# Altium PCB GridSeed.PcbDoc (part 2 of 4) (continued)
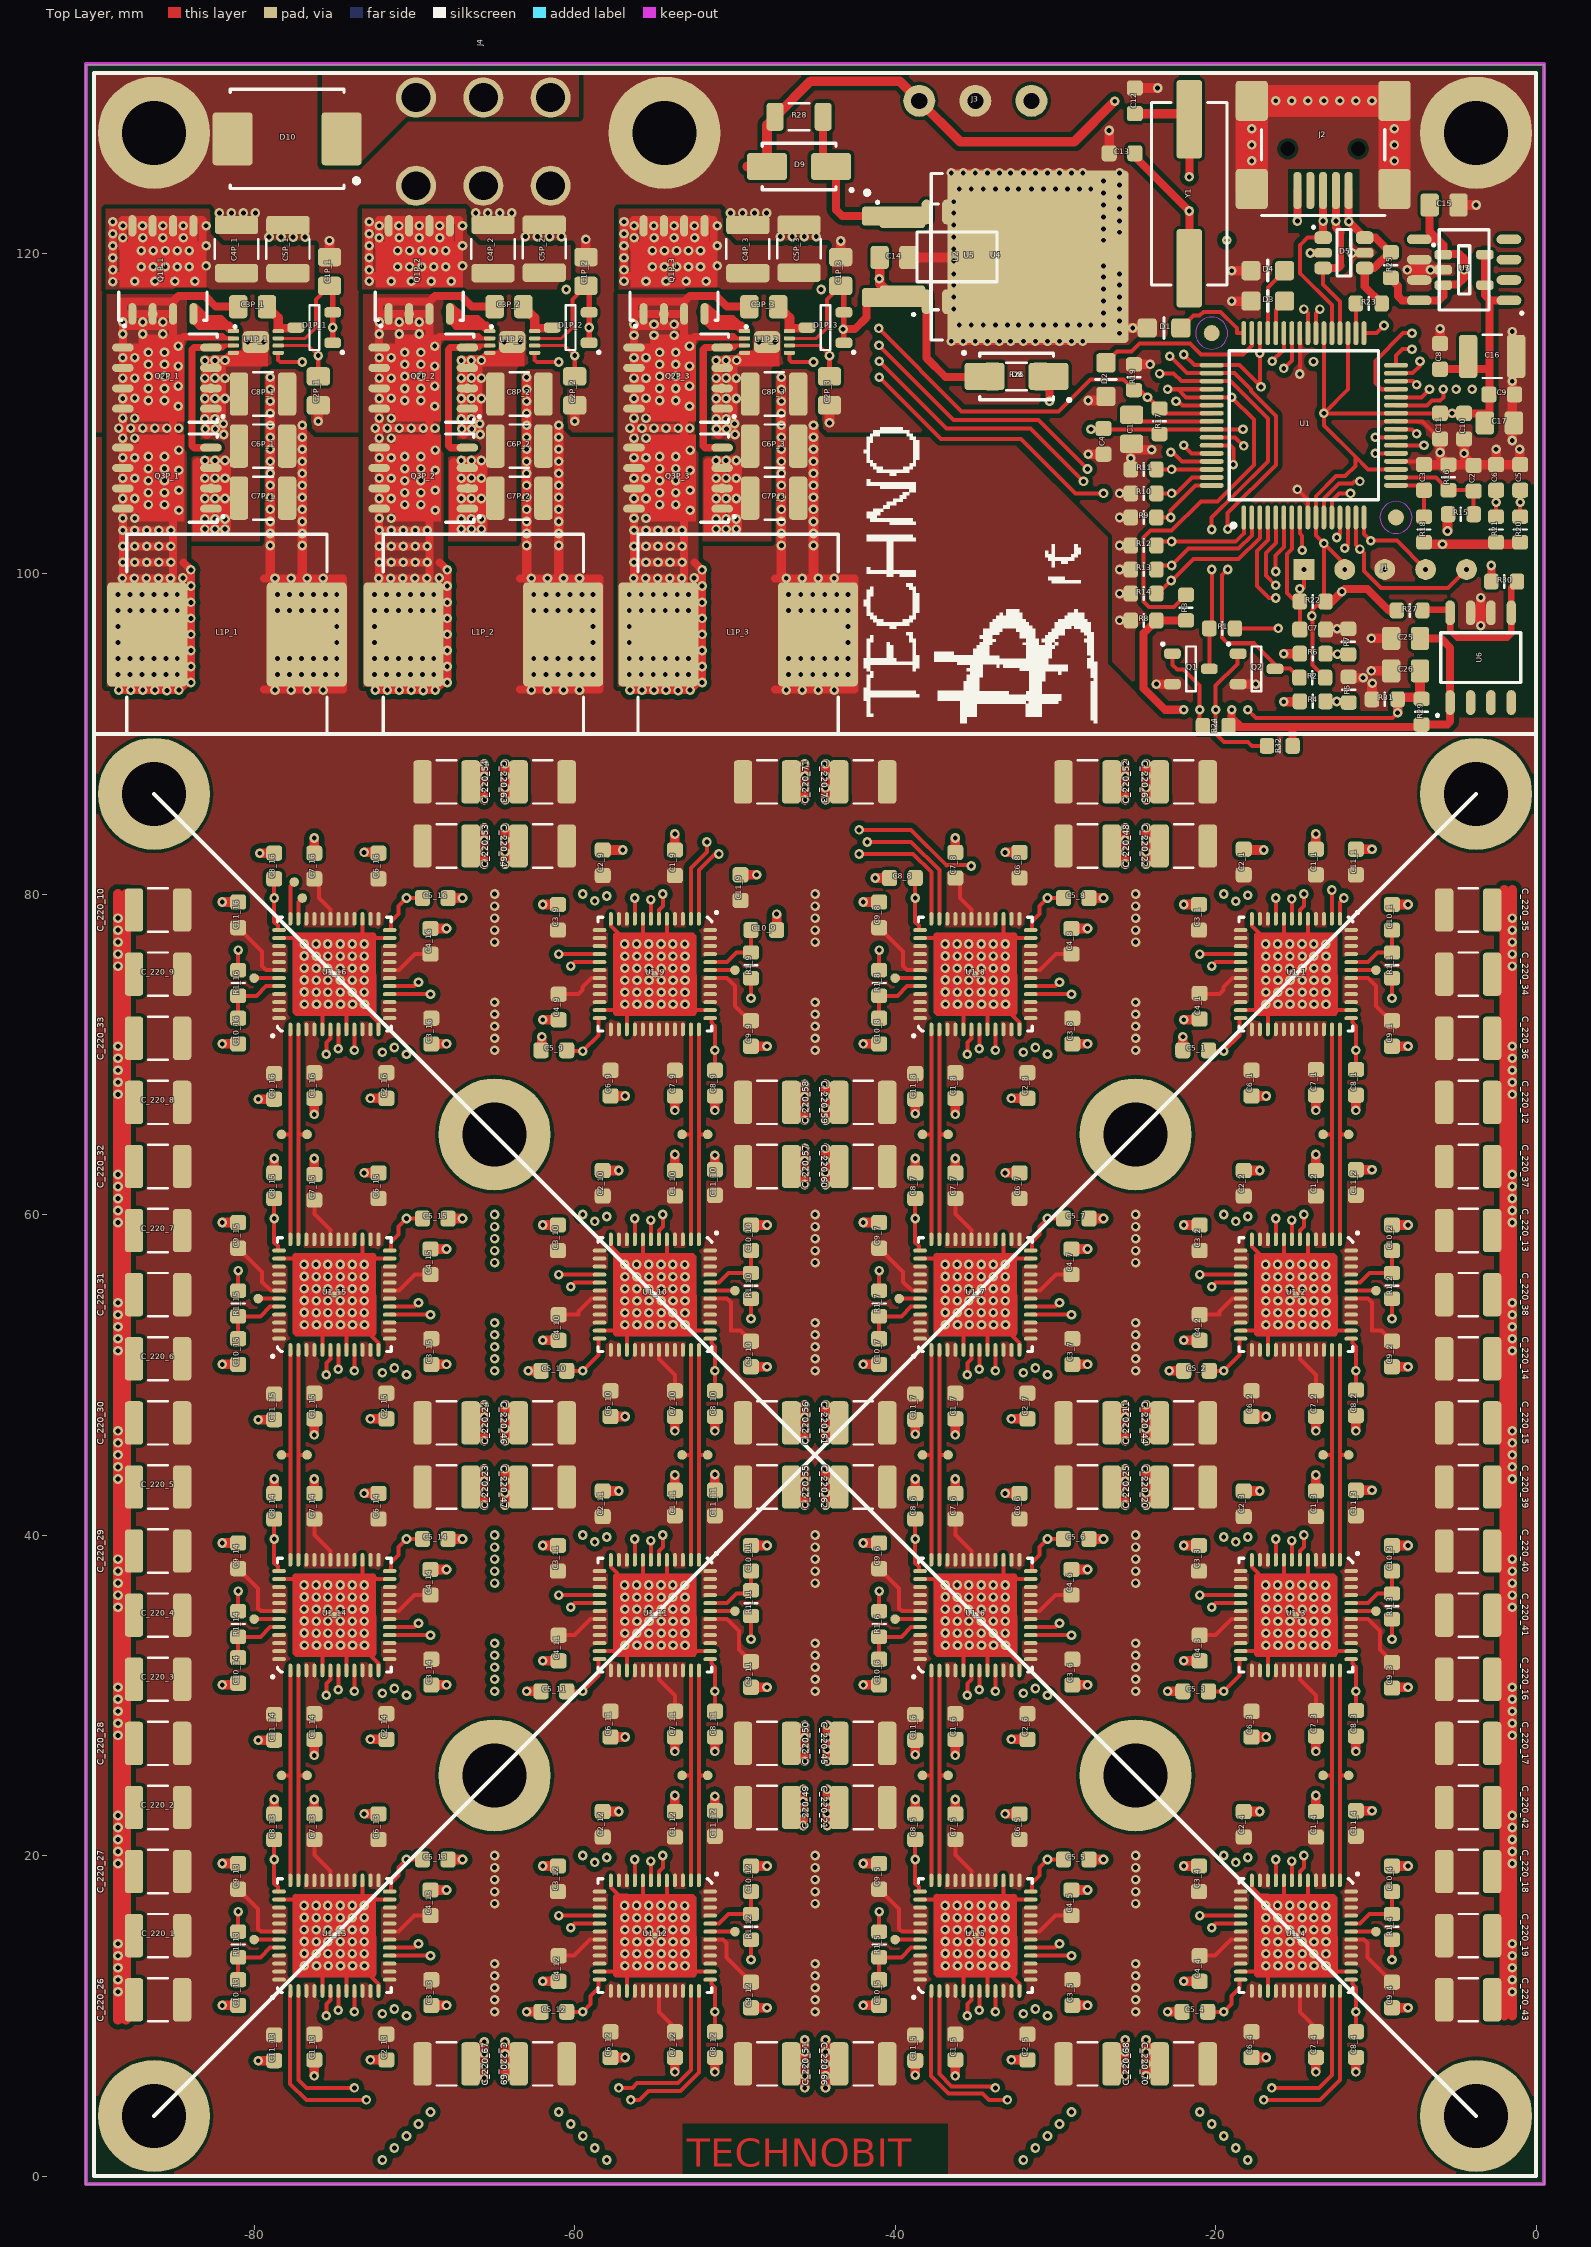
[diagram p0: Top Layer view]
## Nets (pads, with @x,y where several pads share a name; then routed paths per layer and width w, separated by ;. In a path a pad name is that pad's centre, name@x,y a point inside that pad or via, vN(x,y) a via of type N, cw(c..) or ccw(c..) an arc to the next point about the centre after c; other vN are vias at no path point) (continued)
  Mid-Bottom Layer w0.25: v1(-74.75,10.35) -74.1,11 -71.825,11 v1(-71.25,10.425) ; v1(-74.75,30.35) -74.1,31 -71.825,31 v1(-71.25,30.425) ; v1(-74.75,50.35) -74.1,51 -71.825,51 v1(-71.25,50.425) ; v1(-74.75,70.35) -74.1,71 -71.825,71 v1(-71.25,70.425) ; v1(-71.25,1.75) v1(-31.25,1.75) v1(-18.75,1.75) ; v1(-58.75,19.575) -58.175,19 -55.9,19 v1(-55.25,19.65) ; v1(-58.75,39.575) -58.175,39 -55.9,39 v1(-55.25,39.65) ; v1(-58.75,59.575) -58.175,59 -55.9,59 v1(-55.25,59.65) ; v1(-58.75,79.575) -58.175,79 -55.9,79 v1(-55.25,79.65) ; v1(-34.75,10.35) -34.1,11 -31.825,11 v1(-31.25,10.425) ; v1(-34.75,30.35) -34.1,31 -31.825,31 v1(-31.25,30.425) ; v1(-34.75,50.35) -34.1,51 -31.825,51 v1(-31.25,50.425) ; v1(-34.75,70.35) -34.1,71 -31.825,71 v1(-31.25,70.425) ; v1(-18.75,19.575) -18.175,19 -15.9,19 v1(-15.25,19.65) ; v1(-18.75,59.575) -18.175,59 -15.9,59 v1(-15.25,59.65) ; v1@-18.749,39.475 -18.75,39.474 -18.276,39 -15.9,39 v1(-15.25,39.65) ; v1(-18,91.5) -18,89.95 -18.75,89.2 v1(-18.75,79.55) -18.75,79.15 -18.725,79.125 -15.625,79.125 v1@-15.25,79.5
  other v1: -15.25,79.7
1.8V: C5_1.2 C5_2.2 C5_3.2 C5_4.2 C5_5.2 C5_6.2 C5_7.2 C5_8.2 C5_9.2 C5_10.2 C5_11.2 C5_12.2 C5_13.2 C5_14.2 C5_15.2 C5_16.2 C8_1.1 C8_2.1 C8_3.1 C8_4.1 C8_5.1 C8_6.1 C8_7.1 C8_8.1 C8_9.1 C8_10.1 C8_11.1 C8_12.1 C8_13.1 C8_14.1 C8_15.1 C8_16.1 C25.2 R1_1.1 R1_2.1 R1_3.1 R1_4.1 R1_5.1 R1_6.1 R1_7.1 R1_8.1 R1_9.1 R1_10.1 R1_11.1 R1_12.1 R1_13.1 R1_14.1 R1_15.1 R1_16.1 R24.2 R29.1 R32.2 U1_1.6 U1_1.24 U1_1.37 U1_2.6 U1_2.24 U1_2.37 U1_3.6 U1_3.24 U1_3.37 U1_4.6 U1_4.24 U1_4.37 U1_5.6 U1_5.24 U1_5.37 U1_6.6 U1_6.24 U1_6.37 U1_7.6 U1_7.24 U1_7.37 U1_8.6 U1_8.24 U1_8.37 U1_9.6 U1_9.24 U1_9.37 U1_10.6 U1_10.24 U1_10.37 U1_11.6 U1_11.24 U1_11.37 U1_12.6 U1_12.24 U1_12.37 U1_13.6 U1_13.24 U1_13.37 U1_14.6 U1_14.24 U1_14.37 U1_15.6 U1_15.24 U1_15.37 U1_16.6 U1_16.24 U1_16.37 U6.1 | length 841.2
  Top Layer w0.25: R1_13.1@-81,15.25 v1(-81,16.5) ; R1_14.1@-81,35.25 v1(-81,36.5) ; R1_15.1@-81,55.25 v1(-81,56.5) ; R1_16.1@-81,75.25 v1(-81,76.5) ; C8_13.1@-78.75,20.95 v1(-78.75,19.75) -78.75,18.25 -78.525,18.025 U1_13.37@-78.525,17.75 ; C8_14.1@-78.75,40.95 -78.75,38.25 -78.525,38.025 U1_14.37@-78.525,37.75 ; C8_15.1@-78.75,60.95 -78.75,58.25 -78.525,58.025 U1_15.37@-78.525,57.75 ; C8_16.1@-78.75,80.95 v1(-78.75,79.75) -78.75,78.25 -78.525,78.025 U1_16.37@-78.525,77.75 ; v1(-75.5,10) -75.5,10.75 -75.25,11 U1_13.6@-75.25,11.55 ; v1(-75.5,30) -75.5,30.75 -75.25,31 ; v1(-75.5,50) -75.5,50.75 -75.25,51 ; v1(-75.5,70) -75.5,70.75 -75.25,71 ; U1_13.24@-71.475,17.75 -71.475,18.275 -71,18.75 -71,19.25 v1(-70.5,19.75) C5_13.2@-69.5,19.75 ; U1_14.24@-71.475,37.75 -71.475,38.275 -71,38.75 -71,39.25 v1(-70.5,39.75) C5_14.2@-69.5,39.75 ; U1_15.24@-71.475,57.75 -71.475,58.275 -71,58.75 -71,59.25 v1(-70.5,59.75) C5_15.2@-69.5,59.75 ; U1_16.24@-71.475,77.75 -71.475,78.275 -71,78.75 -71,79.25 v1(-70.5,79.75) C5_16.2@-69.5,79.75 ; C5_12.2@-60.5,10.25 -59.491,10.25 -59,10.741 -59,11.25 -58.525,11.725 U1_12.24@-58.525,12.25 ; C5_11.2@-60.5,30.25 v1(-59.5,30.25) -58.525,31.225 U1_11.24@-58.525,32.25 ; C5_9.2@-60.45,70.2 v1(-59.5,70.2) -58.525,71.175 U1_9.24@-58.525,72.25 ; C5_10.2@-60.4,50.25 v1(-59.5,50.25) -58.525,51.225 U1_10.24@-58.525,52.25 ; U1_12.6@-54.75,18.45 -54.75,19 -54.5,19.25 v1(-54.5,20) ; U1_11.6@-54.75,38.45 -54.75,39 -54.5,39.25 v1(-54.5,40) ; U1_9.6@-54.75,78.45 -54.75,79 -54.5,79.25 v1(-54.5,80) ; v1(-54.5,60) -54.5,59.25 -54.75,59 ; U1_12.37@-51.475,12.25 -51.475,11.975 -51.25,11.75 v1(-51.25,10.25) C8_12.1@-51.25,9.05 ; U1_11.37@-51.475,32.25 -51.475,31.975 -51.25,31.75 v1(-51.25,30.25) C8_11.1@-51.25,29.05 ; U1_10.37@-51.475,52.25 -51.475,51.975 -51.25,51.75 v1(-51.25,50.25) C8_10.1@-51.25,49.05 ; U1_9.37@-51.475,72.25 -51.475,71.975 -51.25,71.75 v1(-51.25,70.25) C8_9.1@-51.25,69.05 ; v1(-49,13.5) R1_12.1@-49,14.75 ; v1(-49,33.5) R1_11.1@-49,34.75 ; v1(-49,53.5) R1_10.1@-49,54.75 ; v1(-49,73.5) R1_9.1@-49,74.75 ; R1_5.1@-41,15.25 v1(-41,16.5) ; R1_6.1@-41,35.25 v1(-41,36.5) ; R1_7.1@-41,55.25 v1(-41,56.5) ; R1_8.1@-41,75.25 v1(-41,76.5) ; C8_5.1@-38.75,20.95 v1(-38.75,19.75) -38.75,18.25 -38.525,18.025 U1_5.37@-38.525,17.75 ; C8_6.1@-38.75,40.95 -38.75,38.25 -38.525,38.025 U1_6.37@-38.525,37.75 ; C8_7.1@-38.75,60.95 -38.75,58.25 -38.525,58.025 U1_7.37@-38.525,57.75 ; C8_8.1@-38.75,80.95 v1(-38.75,79.75) -38.75,78.25 -38.525,78.025 U1_8.37@-38.525,77.75 ; v1(-35.5,10) -35.5,10.75 -35.25,11 U1_5.6@-35.25,11.55 ; v1(-35.5,30) -35.5,30.75 -35.25,31 U1_6.6@-35.25,31.55 ; v1(-35.5,50) -35.5,50.75 -35.25,51 U1_7.6@-35.25,51.55 ; v1(-35.5,70) -35.5,70.75 -35.25,71 U1_8.6@-35.25,71.55 ; U1_5.24@-31.475,17.75 -31.475,18.275 -31,18.75 -31,19.25 v1(-30.5,19.75) C5_5.2@-29.5,19.75 ; U1_6.24@-31.475,37.75 -31.475,38.275 -31,38.75 -31,39.25 v1(-30.5,39.75) C5_6.2@-29.5,39.75 ; U1_7.24@-31.475,57.75 -31.475,58.275 -31,58.75 -31,59.25 v1(-30.5,59.75) C5_7.2@-29.5,59.75 ; U1_8.24@-31.475,77.75 -31.475,78.275 -31,78.75 -31,79.25 v1(-30.5,79.75) C5_8.2@-29.5,79.75 ; C5_4.2@-20.5,10.25 -19.491,10.25 -19,10.741 -19,11.25 -18.525,11.725 U1_4.24@-18.525,12.25 ; C5_3.2@-20.5,30.25 v1(-19.5,30.25) -18.525,31.225 U1_3.24@-18.525,32.25 ; C5_1.2@-20.45,70.2 v1(-19.5,70.2) -18.525,71.175 U1_1.24@-18.525,72.25 ; C5_2.2@-20.4,50.25 v1(-19.5,50.25) -18.525,51.225 U1_2.24@-18.525,52.25 ; U1_4.6@-14.75,18.45 -14.75,19 -14.5,19.25 v1(-14.5,20) ; U1_3.6@-14.75,38.45 -14.75,39 -14.5,39.25 v1(-14.5,40) ; U1_2.6@-14.75,58.45 -14.75,59 -14.5,59.25 v1(-14.5,60) ; U1_1.6@-14.75,78.45 -14.75,79 -14.5,79.25 v1(-14.5,80) ; U1_4.37@-11.475,12.25 -11.475,11.975 -11.25,11.75 v1(-11.25,10.25) C8_4.1@-11.25,9.05 ; U1_3.37@-11.475,32.25 -11.475,31.975 -11.25,31.75 v1(-11.25,30.25) C8_3.1@-11.25,29.05 ; U1_2.37@-11.475,52.25 -11.475,51.975 -11.25,51.75 v1(-11.25,50.25) C8_2.1@-11.25,49.05 ; U1_1.37@-11.475,72.25 -11.475,71.975 -11.25,71.75 v1(-11.25,70.25) C8_1.1@-11.25,69.05 ; v1(-9,13.5) R1_4.1@-9,14.75 ; v1(-9,33.5) R1_3.1@-9,34.75 ; v1(-9,53.5) R1_2.1@-9,54.75 ; v1(-9,73.5) R1_1.1@-9,74.75 ; -75.25,31 U1_14.6@-75.25,31.55 -75.25,31 ; -75.25,51 U1_15.6@-75.25,51.55 -75.25,51 ; -75.25,71 U1_16.6@-75.25,71.55 -75.25,71 ; -54.75,59 U1_10.6@-54.75,58.45 -54.75,59
  Top Layer w0.5: R24.2@-19.2,90.5 -19.125,90.425 -18.425,90.425 ; v1(-19,91.5) -19,91 -18.425,90.425 ; R32.2@-15.2,89.25 -15.2,90.375 -15.25,90.425 ; C25.2@-7.25,95.95 -5.95,95.95 -5.367,95.367 U6.1@-5.367,91.95 -5.367,90.758 -5.55,90.575 R29.1@-7.15,90.575 -7.3,90.425 -15.25,90.425 ; -18.425,90.425 -15.25,90.425
  Mid-Top Layer w0.25: v1(-70.5,2.5) v1(-70.5,19.75) v1(-70.5,39.75) v1(-70.5,59.75) v1(-70.5,79.75) ; v1(-59.5,80) v1(-59.5,70.2) -59.5,55.625 -59.491,55.625 v1(-59.491,2.5) ; v1(-30.5,2.5) v1(-30.5,19.75) v1(-30.5,39.75) v1(-30.5,59.75) v1(-30.5,79.75) ; v1(-19.5,80) v1(-19.5,70.2) v1(-19.5,60) -19.5,55.625 -19.491,55.625 -19.491,39.875 v1@-19.491,2.5
  Mid-Bottom Layer w0.25: v1(-81,16.5) -81,17.5 v1(-78.75,19.75) v1(-70.5,19.75) ; v1(-81,36.5) -81,37.5 v1(-78.75,39.75) v1(-70.5,39.75) ; v1(-81,56.5) -81,57.5 v1(-78.75,59.75) v1(-70.5,59.75) ; v1(-81,76.5) -81,77.5 v1(-78.75,79.75) v1(-70.5,79.75) ; v1(-75.5,10) -75,9.5 -71,9.5 v1(-70.5,10) ; v1(-75.5,30) -75,29.5 -71,29.5 v1(-70.5,30) ; v1(-75.5,50) -75,49.5 -71,49.5 v1(-70.5,50) ; v1(-75.5,70) -75,69.5 -71,69.5 v1(-70.5,70) ; v1(-70.5,2.5) v1(-30.5,2.5) v1(-19.5,2.5) ; v1(-59.5,10.25) v1(-51.25,10.25) -49,12.5 v1(-49,13.5) ; v1(-59.5,20) -59,20.5 -55,20.5 v1(-54.5,20) ; v1(-59.5,30.25) v1(-51.25,30.25) -49,32.5 v1(-49,33.5) ; v1(-59.5,40) -59,40.5 -55,40.5 v1(-54.5,40) ; v1(-59.5,50.25) v1(-51.25,50.25) -49,52.5 v1(-49,53.5) ; v1(-59.5,60) -59,60.5 -55,60.5 v1(-54.5,60) ; v1(-59.5,70.2) -59.45,70.25 v1(-51.25,70.25) -49,72.5 v1(-49,73.5) ; v1(-59.5,80) -59.5,79.2 -58.35,78.05 -55.65,78.05 -54.5,79.2 v1(-54.5,80) ; v1(-41,16.5) -41,17.5 v1(-38.75,19.75) v1(-30.5,19.75) ; v1(-41,36.5) -41,37.5 v1(-38.75,39.75) v1(-30.5,39.75) ; v1(-41,56.5) -41,57.5 v1(-38.75,59.75) v1(-30.5,59.75) ; v1(-41,76.5) -41,77.5 v1(-38.75,79.75) v1(-30.5,79.75) ; v1(-35.5,10) -35,9.5 -31,9.5 v1(-30.5,10) ; v1(-35.5,30) -35,29.5 -31,29.5 v1(-30.5,30) ; v1(-35.5,50) -35,49.5 -31,49.5 v1(-30.5,50) ; v1(-35.5,70) -35,69.5 -31,69.5 v1(-30.5,70) ; v1(-19.5,10.25) v1(-11.25,10.25) -9,12.5 v1(-9,13.5) ; v1(-19.5,20) -19,20.5 -15,20.5 v1(-14.5,20) ; v1(-19.5,30.25) v1(-11.25,30.25) -9,32.5 v1(-9,33.5) ; v1@-19.5,39.75 -18.75,40.5 -15,40.5 v1(-14.5,40) ; v1(-19.5,50.25) v1(-11.25,50.25) -9,52.5 v1(-9,53.5) ; v1(-19.5,60) -19,60.5 -15,60.5 v1(-14.5,60) ; v1(-19.5,70.2) -19.45,70.25 v1(-11.25,70.25) -9,72.5 v1(-9,73.5) ; v1(-19,91.5) -19,90.388 -19.5,89.888 v1(-19.5,80) -19.5,78.6 -19.15,78.25 -15.5,78.25 -14.5,79.25 v1(-14.5,80)
  other v1: -19.5,39.875
3.3V: C4.1 C8.1 C9.1 C10.1 C11.1 C16.1 C17.1 J1.2 R1.2 R2.2 R17.1 R22.2 R27.1 U1.10 U1.19 U1.26 U1.35 U1.38 U1.57 U3.4 U3.5 U7.1 | length 116.2
  Top Layer w0.25: v1(-27.785,109) -27,109 v1(-18.3,109) ; R1.2@-18.8,96.575 v1(-16.1,96.575) ; U1.38@-13.25,115 v1(-13.25,110) ; R2.2@-13.15,93.5 -13.95,94.3 -13.95,97.75 -13.7,98 -13.15,98 -13.25,98.1 v1(-13.25,101.884) ; v1(-11.95,100.25) -11.95,100.584 v1(-13.25,101.884) ; U1.35@-11.75,115 -11.75,111.5 v1(-13.25,110) ; U1.19@-8.75,106.5 -10.5,106.5 -11.287,107.288 ; C11.1@-6,110 U1.26@-8.75,110 v1(-13.25,110) ; v1(-13.25,101.884) -13.75,102.384 -13.75,104.823 -12.498,106.075 -11.925,106.075 -11.287,106.713 -11.287,107.288 ; v1(-13.25,110) -13.25,109.25 -11.287,107.288
  Top Layer w0.5: R22.2@-12.894,98.256 -13.15,98 -13,98 v1(-12.125,98.875) -11.975,99.025 -10.525,99.025 -9.2,97.7 R27.1@-8.7,97.7 ; C8.1@-6.001,112.75 -2.925,112.75 -2.9,112.725 ; C11.1@-6,110 v1(-5.25,110) -3.2,110 C17.1@-2.9,110 ; U3.5@-3.2,119.925 -3.2,117.376 -2.9,117.076 -2.9,112.725 ; C17.1@-2.9,109 C17.1@-2.9,110 ; -2.869,117.045 U7.1@-1.7,117.045 ; C17.1@-2.9,110 -2.9,112.725
  Mid-Top Layer w0.5: v1(-13.25,110) v1(-13.25,101.884) -13.25,100 v1(-12.125,98.875)
  Mid-Bottom Layer w0.25: v1(-16.1,96.575) -14.775,96.575 v1(-14,97.35)
  Mid-Bottom Layer w0.6: v1(-27.785,109) v1(-18.3,109) -16,109 -15,110 v1(-5.25,110)
5.0V: C1P_1.2 C1P_2.2 C1P_3.2 C14.1 D1P_1.1 D1P_1.2 D1P_2.1 D1P_2.2 D1P_3.1 D1P_3.2 D7.1 D8.2 J3.1 pad.0@-43.4,117.95 pad.0@-59.3,117.95 pad.0@-75.3,117.95 R26.1 U1P_1.7 U1P_2.7 U1P_3.7 U2.1 U4.3 U5.3 | length 93.2
  Top Layer w0.2: U1P_1.7@-78.5,114.675 -76.825,114.675 -76.15,115.35 ; U1P_2.7@-62.5,114.675 -60.825,114.675 -60.15,115.35 ; U1P_3.7@-46.6,114.675 -44.925,114.675 -44.25,115.35
  Top Layer w0.25: -76.15,115.35 -76.15,117.1 pad.0@-75.3,117.95 ; -60.15,115.35 -60.15,117.1 pad.0@-59.3,117.95 ; -44.25,115.35 -44.25,117.1 pad.0@-43.4,117.95
  Top Layer w0.35: D1P_1.1@-75.1,114.4 v1(-75.1,115.35) pad.0@-75.1,117.85 ; D1P_2.1@-59.1,114.4 v1(-59.1,115.35) pad.0@-59.1,117.85 ; D1P_3.1@-43.2,114.4 -43.2,115.25 pad.0@-43.2,117.85
  Top Layer w0.5: v1@-43.2,115.25 -42.525,115.25 -41.8,115.975 -41.8,117.225 U4.3@-40.1,117.225 -39.799,117.225 U5.3@-39.55,117.475 ; U2.1@-38.055,116.965 -38.055,113.455 -36.85,112.25 R26.1@-34.425,112.25
  Top Layer w0.6: C14.1@-40.975,119.725 -40.975,118.1 U4.3@-40.1,117.225
  Mid-Top Layer w0.25: v1(-75.1,115.35) -73.8,116.65 -59.1,116.65 ; v1(-59.1,115.35) -59.1,116.65 ; v1(-43.25,115.25) -44.65,116.65 -59.1,116.65
  Mid-Bottom Layer w0.6: v1(-41,118.4) -41,121.631 -36.831,125.8 -35.2,125.8 J3.1@-31.5,129.5
12V: C4P_1.1 C4P_2.1 C4P_3.1 C5P_1.1 C5P_2.1 C5P_3.1 D9.2 D10.1 J3.3 J4.2 J4.4 J4.6 pad.0@-46,118.75 pad.0@-49.2,118.75 pad.0@-61.9,118.75 pad.0@-65.1,118.75 pad.0@-77.9,118.75 pad.0@-81.1,118.75 Q1P_1.5 Q1P_1.6 Q1P_1.7 Q1P_1.8 Q1P_2.5 Q1P_2.6 Q1P_2.7 Q1P_2.8 Q1P_3.5 Q1P_3.6 Q1P_3.7 Q1P_3.8 R15.1 R28.2 | length 164.5
  Top Layer w0.4: -83.945,118.75 -83.76,118.565 ; -67.945,118.75 -67.76,118.565 ; -52.045,118.75 -51.86,118.565
  Top Layer w0.5: -88.225,120.318 v1@-88.225,121.7 ; Q1P_1.5@-83.795,121.7 v1(-84.43,121.7) v1(-85.7,121.7) v1(-86.97,121.7) v1(-88.195,121.7) v1@-88.225,121.7 ; -83.76,118.565 -88.822,118.565 v1(-88.822,118.95) v1(-88.822,119.7) v1(-88.822,120.45) v1(-88.822,121.2) -88.822,121.7 v1@-88.225,121.7 ; v1@-83.225,120.568 -83.225,122.068 -85.065,122.068 -86.335,122.068 -87.605,122.068 -88.225,122.068 v1@-88.225,121.7 ; -72.225,120.318 v1@-72.225,121.7 ; Q1P_2.5@-67.795,121.7 v1(-68.43,121.7) v1(-69.7,121.7) v1(-70.97,121.7) v1(-72.195,121.7) v1@-72.225,121.7 ; -67.76,118.565 -68.95,118.565 -72.822,118.565 v1(-72.822,118.95) v1(-72.822,119.7) v1(-72.822,120.45) v1(-72.822,121.2) -72.822,121.7 v1@-72.225,121.7 ; v1@-67.225,120.568 -67.225,122.068 -69.065,122.068 -72.225,122.068 v1@-72.225,121.7 ; -56.325,120.318 v1@-56.325,121.7 ; Q1P_3.5@-51.895,121.7 -52.05,121.7 v1(-52.53,121.7) v1(-53.8,121.7) v1(-55.07,121.7) v1(-56.295,121.7) v1@-56.325,121.7 ; -51.86,118.565 -56.922,118.565 v1(-56.922,118.95) v1(-56.922,119.7) v1(-56.922,120.45) v1(-56.922,121.2) -56.922,121.7 v1@-56.325,121.7 ; v1@-51.325,120.568 -51.325,122.068 -51.682,122.068 -52.53,122.068 -55.705,122.068 -56.325,122.068 v1@-56.325,121.7
  Top Layer w0.6: Q1P_3.5@-52.05,121.7 Q1P_3.5@-51.682,122.068 ; D9.2@-49.225,125.4 D9.2@-48,125.4 -48,128 R28.2@-47.5,128.5 -45.275,130.725 -39.725,130.725 J3.3@-38.5,129.5 -35.95,126.95 -28.825,126.95 v1(-26.3,129.475) ; R15.1@-5.552,103.525 -5.534,103.507 v1(-5.534,102.651)
  Mid-Top Layer w0.3: v1(-19.302,120.802) -16,117.5 -16,115.9 -13.9,113.8 v1(-13.9,113.225) ; v1@-5.534,102.627 -3.75,104.411 -3.752,104.413 -3.752,110.252 v1(-5,111.5)
  Mid-Bottom Layer w0.3: -45.475,130.725 -45.35,130.85 ; v1(-26.3,129.475) -23.625,126.8 -23.625,123.625 -20.802,120.802 v1(-19.302,120.802) ; v1(-13.9,113.225) -12.083,111.408 -9,111.408 -7.833,112.575 -5.777,112.575 -5,111.797 v1(-5,111.5)
  Mid-Bottom Layer w0.5: J4.6@-61.5,129.7 -60.475,130.725 -45.475,130.725 -39.725,130.725 J3.3@-38.5,129.5 ; v1(-52.53,121.7) -51.875,122.355 -51.875,122.75
  other v1: -88.822,118.218 -87.45,118.236 -86.2,118.236 -84.95,118.236 -83.7,118.236 -71.45,118.236 -70.2,118.236 -68.95,118.236 -67.7,118.236 -55.55,118.236 -54.3,118.236 -53.05,118.236 -51.8,118.236 -72.825,118.25 -56.925,118.25 -87.05,119.15 -86.3,119.15 -85.55,119.15 -84.8,119.15 -84.05,119.15 -71.05,119.15 -70.3,119.15 -69.55,119.15 -68.8,119.15 -68.05,119.15 -55.15,119.15 -54.4,119.15 -53.65,119.15 -52.9,119.15 -52.15,119.15 -83,119.2 -67,119.2 -51.1,119.2 -87.05,120.15 -86.3,120.15 -85.55,120.15 -84.8,120.15 -84.05,120.15 -71.05,120.15 -70.3,120.15 -69.55,120.15 -68.8,120.15 -68.05,120.15 -55.15,120.15 -54.4,120.15 -53.65,120.15 -52.9,120.15 -52.15,120.15 -83,120.45 -67,120.45 -51.1,120.45 -88.194,120.95 -86.945,120.95 -85.7,120.95 -84.42,120.95 -72.194,120.95 -70.945,120.95 -69.7,120.95 -68.42,120.95 -56.294,120.95 -55.045,120.95 -53.8,120.95 -52.52,120.95 -83,121.7 -67,121.7 -51.1,121.7 -88.822,121.95 -72.822,121.95 -56.922,121.95
BOOT1: C3P_1.1 D1P_1.3 pad.0@-77.4,115.35 pad.0@-79.2,116.65 U1P_1.8 | length 1.6
  Top Layer w0.6: pad.0@-79.2,116.65 -78.5,115.95 -78.5,115.35
BOOT2: C3P_2.1 D1P_2.3 pad.0@-61.4,115.35 pad.0@-63.2,116.65 U1P_2.8 | length 1.6
  Top Layer w0.6: pad.0@-63.2,116.65 -62.5,115.95 -62.5,115.35
BOOT3: C3P_3.1 D1P_3.3 pad.0@-45.5,115.35 pad.0@-47.3,116.65 U1P_3.8 | length 1.6
  Top Layer w0.6: pad.0@-47.3,116.65 -46.6,115.95 -46.6,115.35
C1RX: U1.58 | length 2.2
  Top Layer w0.25: U1.58@-20.25,108.5 -18.788,108.5 v1(-18.25,107.962)
C1TX: U1.59 | length 2.4
  Top Layer w0.25: U1.59@-20.25,108 -19.088,108 -18.9,107.812 v1(-18.9,106.8)
C_CLK_OUT1: pad.0@-10,75.25 U1_1.43 | length 1.5
  Top Layer w0.25: U1_1.43@-11.475,75.25 -10.55,75.25 pad.0@-10,75.25
C_CLK_OUT2: pad.0@-10,55.25 U1_2.43 | length 1.5
  Top Layer w0.25: U1_2.43@-11.55,55.25 -10.55,55.25 pad.0@-10,55.25
C_CLK_OUT3: pad.0@-10,35.25 U1_3.43 | length 1.5
  Top Layer w0.25: U1_3.43@-11.475,35.25 -10.55,35.25 pad.0@-10,35.25
C_CLK_OUT4: pad.0@-10,15.25 U1_4.43 | length 1.6
  Top Layer w0.25: U1_4.43@-11.55,15.25 -10.55,15.25 pad.0@-10,15.25
C_CLK_OUT5: pad.0@-40,14.75 U1_5.43 | length 1.5
  Top Layer w0.25: pad.0@-40,14.75 -39.45,14.75 U1_5.43@-38.525,14.75
C_CLK_OUT6: pad.0@-40,34.75 U1_6.43 | length 1.5
  Top Layer w0.25: pad.0@-40,34.75 -39.45,34.75 U1_6.43@-38.525,34.75
C_CLK_OUT7: pad.0@-39.75,54.75 U1_7.43 | length 1.2
  Top Layer w0.25: pad.0@-39.75,54.75 -39.45,54.75 U1_7.43@-38.525,54.75
C_CLK_OUT8: pad.0@-40,74.75 U1_8.43 | length 1.5
  Top Layer w0.25: pad.0@-40,74.75 -39.45,74.75 U1_8.43@-38.525,74.75
C_CLK_OUT9: pad.0@-50,75.25 U1_9.43 | length 1.5
  Top Layer w0.25: U1_9.43@-51.475,75.25 -50.55,75.25 pad.0@-50,75.25
C_CLK_OUT10: pad.0@-50,55.25 U1_10.43 | length 1.5
  Top Layer w0.25: U1_10.43@-51.55,55.25 -50.55,55.25 pad.0@-50,55.25
C_CLK_OUT11: pad.0@-50,35.25 U1_11.43 | length 1.5
  Top Layer w0.25: U1_11.43@-51.475,35.25 -50.55,35.25 pad.0@-50,35.25
C_CLK_OUT12: pad.0@-50,15.25 U1_12.43 | length 1.6
  Top Layer w0.25: U1_12.43@-51.55,15.25 -50.55,15.25 pad.0@-50,15.25
C_CLK_OUT13: pad.0@-80,14.75 U1_13.43 | length 1.5
  Top Layer w0.25: pad.0@-80,14.75 -79.45,14.75 U1_13.43@-78.525,14.75
C_CLK_OUT14: pad.0@-80,34.75 U1_14.43 | length 1.5
  Top Layer w0.25: pad.0@-80,34.75 -79.45,34.75 U1_14.43@-78.525,34.75
C_CLK_OUT15: pad.0@-79.75,54.75 U1_15.43 | length 1.2
  Top Layer w0.25: pad.0@-79.75,54.75 -79.45,54.75 U1_15.43@-78.525,54.75
C_CLK_OUT16: pad.0@-80,74.75 U1_16.43 | length 1.5
  Top Layer w0.25: pad.0@-80,74.75 -79.45,74.75 U1_16.43@-78.525,74.75
COMPFB+: C5.1 R20.1 U1.11 | length 15.7
  Top Layer w0.25: U1.11@-13.25,103.5 -13.25,104.686 -12.311,105.625 -11.45,105.625 -11.325,105.75 ; R20.1@-1,103.55 v1(-1,104.45) C5.1@-1,105.2
  Mid-Bottom Layer w0.25: v1(-11,105.75) -2.3,105.75 v1(-1,104.45)
COMPFB-: C6.1 R21.1 U1.12 | length 13.4
  Top Layer w0.25: U1.12@-12.75,103.5 -12.75,104.55 -12.3,105 v1(-11.589,105) ; R21.1@-2.5,103.55 v1(-2.5,104.45) C6.1@-2.5,105.2
  Mid-Bottom Layer w0.25: v1(-11.589,105) -3.05,105 v1(-2.5,104.45)
CONFIG_N1: R6.1 R7.2 U1_1.2 | length 18.4
  Top Layer w0.25: R6.1@-13.1,94.975 v1(-12.4,94.975) R7.2@-11.7,94.975 ; U1_1.2@-12.75,78.525 v1(-12.75,80.25)
  Mid-Top Layer w0.25: v1(-12.75,80.25) -12.75,91.25 -13.181,91.681 -13.181,92.719 -12.4,93.5 v1(-12.4,94.975)
CONFIG_N1_MCU: R6.2 U1.42 | length 22.8
  Top Layer w0.25: v1(-15.75,112.8) -15.25,113.3 U1.42@-15.25,115
  Top Layer w0.6: v1(-15.75,95) R6.2@-14.75,95
  Mid-Top Layer w0.25: v1(-15.75,95) -15.475,95.275 -15.475,101.939 -13.825,103.589 -13.825,109.641 -15.75,111.566 v1(-15.75,112.8)
CONFIG_N2: pad.0@-13.3,65 U1_1.35 U1_2.2 | length 13.5
  Top Layer w0.25: pad.0@-13.3,65 -12.75,65 ; U1_2.2@-12.75,58.525 U1_1.35@-12.75,71.475
CONFIG_N3: pad.0@-13.3,45 U1_2.35 U1_3.2 | length 13.5
  Top Layer w0.25: pad.0@-13.3,45 -12.75,45 ; U1_3.2@-12.75,38.525 U1_2.35@-12.75,51.475
CONFIG_N4: pad.0@-13.3,25 U1_3.35 U1_4.2 | length 13.5
  Top Layer w0.25: pad.0@-13.3,25 -12.75,25 ; U1_4.2@-12.75,18.525 U1_3.35@-12.75,31.475
CONFIG_N5: U1_4.35 U1_5.2 | length 35.2
  Top Layer w0.25: U1_5.2@-37.25,11.475 -37.25,6.366 -36.484,5.6 -34.1,5.6 v1@-34,5.5 ; v1(-16.5,5.5) -13.55,5.5 -12.75,6.3 U1_4.35@-12.75,11.475
  Mid-Bottom Layer w0.25: v1(-33.75,5.5) v1(-16.5,5.5)
CONFIG_N6: pad.0@-36.7,25 U1_5.35 U1_6.2 | length 13.5
  Top Layer w0.25: U1_5.35@-37.25,18.525 U1_6.2@-37.25,31.475 ; -37.25,25 pad.0@-36.7,25
CONFIG_N7: pad.0@-36.7,45 U1_6.35 U1_7.2 | length 13.5
  Top Layer w0.25: U1_6.35@-37.25,38.525 U1_7.2@-37.25,51.475 ; -37.25,45 pad.0@-36.7,45
CONFIG_N8: pad.0@-36.7,65 U1_7.35 U1_8.2 | length 13.5
  Top Layer w0.25: U1_7.35@-37.25,58.525 U1_8.2@-37.25,71.475 ; -37.25,65 pad.0@-36.7,65
CONFIG_N9: U1_8.35 U1_9.2 | length 23.3
  Top Layer w0.25: U1_9.2@-52.75,78.525 -52.75,80.25 -52.75,81.636 -51.75,82.636 v1(-51.75,83.25) ; v1(-41.75,83.25) -39,83.25 -37.25,81.5 U1_8.35@-37.25,78.525
  Mid-Bottom Layer w0.25: v1(-51.75,83.25) v1(-41.75,83.25)
CONFIG_N10: pad.0@-53.3,65 U1_9.35 U1_10.2 | length 13.5
  Top Layer w0.25: pad.0@-53.3,65 -52.75,65 ; U1_10.2@-52.75,58.525 U1_9.35@-52.75,71.475
CONFIG_N11: pad.0@-53.3,45 U1_10.35 U1_11.2 | length 13.5
  Top Layer w0.25: pad.0@-53.3,45 -52.75,45 ; U1_11.2@-52.75,38.525 U1_10.35@-52.75,51.475
CONFIG_N12: pad.0@-53.3,25 U1_11.35 U1_12.2 | length 13.5
  Top Layer w0.25: pad.0@-53.3,25 -52.75,25 ; U1_12.2@-52.75,18.525 U1_11.35@-52.75,31.475
CONFIG_N13: U1_12.35 U1_13.2 | length 35.3
  Top Layer w0.25: U1_13.2@-77.25,11.475 -77.25,6 -76.75,5.5 v1@-74,5.5 ; v1(-57.25,5.5) -56.4,5.5 -56.1,5.8 -53.566,5.8 -52.75,6.616 U1_12.35@-52.75,11.475
  Mid-Bottom Layer w0.25: v1(-73.75,5.5) v1(-57.25,5.5)
CONFIG_N14: pad.0@-76.7,25 U1_13.35 U1_14.2 | length 13.5
  Top Layer w0.25: U1_13.35@-77.25,18.525 U1_14.2@-77.25,31.475 ; -77.25,25 pad.0@-76.7,25
CONFIG_N15: pad.0@-76.7,45 U1_14.35 U1_15.2 | length 13.5
  Top Layer w0.25: U1_14.35@-77.25,38.525 U1_15.2@-77.25,51.475 ; -77.25,45 pad.0@-76.7,45
CONFIG_N16: pad.0@-76.7,65 U1_15.35 U1_16.2 | length 13.5
  Top Layer w0.25: U1_15.35@-77.25,58.525 U1_16.2@-77.25,71.475 ; -77.25,65 pad.0@-76.7,65
CONFIG_N17: pad.0@-77,79.75 U1_16.35 | length 1.3
  Top Layer w0.25: U1_16.35@-77.25,78.525 -77.25,79.5 pad.0@-77,79.75
CONFIG_P1: R4.1 R5.2 U1_1.1 | length 15.2
  Top Layer w0.25: R4.1@-13.15,92.018 v1(-12.45,92.018) -11.768,92.018 R5.2@-11.75,92 ; U1_1.1@-12.25,78.525 -12.25,79.5 v1(-12,79.75)
  Mid-Top Layer w0.25: v1(-12.45,92.018) -12,91.568 v1(-12,79.75)
CONFIG_P1_MCU: R4.2 U1.43 | length 26.7
  Top Layer w0.25: v1(-16.475,113.25) -15.75,113.975 U1.43@-15.75,115
  Top Layer w0.6: v1(-15.75,92) R4.2@-14.775,92
  Mid-Top Layer w0.25: v1(-16.475,113.25) -16.475,111.655 -14.275,109.455 -14.275,103.775 -16.875,101.175 -16.875,93.125 v1(-15.75,92)
CONFIG_P2: pad.0@-11.7,65 U1_1.36 U1_2.1 | length 13.5
  Top Layer w0.25: U1_2.1@-12.25,58.525 U1_1.36@-12.25,71.475 ; -12.25,65 pad.0@-11.7,65
CONFIG_P3: pad.0@-11.7,45 U1_2.36 U1_3.1 | length 13.5
  Top Layer w0.25: U1_3.1@-12.25,38.525 U1_2.36@-12.25,51.475 ; -12.25,45 pad.0@-11.7,45
CONFIG_P4: pad.0@-11.7,25 U1_3.36 U1_4.1 | length 13.5
  Top Layer w0.25: U1_4.1@-12.25,18.525 U1_3.36@-12.25,31.475 ; -12.25,25 pad.0@-11.7,25
CONFIG_P5: U1_4.36 U1_5.1 | length 37.6
  Top Layer w0.25: U1_5.1@-37.75,11.475 -37.752,11.473 -37.752,6.231 -36.67,5.15 -34.55,5.15 -34.15,4.75 v1(-33,4.75) ; v1(-17,4.75) -13.5,4.75 -12.25,6 U1_4.36@-12.25,11.475
  Mid-Bottom Layer w0.25: v1(-33,4.75) v1@-16.75,4.75
CONFIG_P6: pad.0@-38.3,25 U1_5.36 U1_6.1 | length 13.5
  Top Layer w0.25: pad.0@-38.3,25 -37.75,25 ; U1_5.36@-37.75,18.525 U1_6.1@-37.75,31.475
CONFIG_P7: pad.0@-38.3,45 U1_6.36 U1_7.1 | length 13.5
  Top Layer w0.25: pad.0@-38.3,45 -37.75,45 ; U1_6.36@-37.75,38.525 U1_7.1@-37.75,51.475
CONFIG_P8: pad.0@-38.3,65 U1_7.36 U1_8.1 | length 13.5
  Top Layer w0.25: pad.0@-38.3,65 -37.75,65 ; U1_7.36@-37.75,58.525 U1_8.1@-37.75,71.475
CONFIG_P9: U1_8.36 U1_9.1 | length 21.7
  Top Layer w0.25: U1_9.1@-52.25,78.525 -52.25,81.5 -51.25,82.5 v1(-51,82.5) ; v1(-42.25,82.5) -38.886,82.5 -37.75,81.364 U1_8.36@-37.75,78.525
  Mid-Bottom Layer w0.25: v1(-51,82.5) -51.25,82.5 v1(-42.25,82.5)
CONFIG_P10: pad.0@-51.7,65 U1_9.36 U1_10.1 | length 13.5
  Top Layer w0.25: U1_10.1@-52.25,58.525 U1_9.36@-52.25,71.475 ; -52.25,65 pad.0@-51.7,65
CONFIG_P11: pad.0@-51.7,45 U1_10.36 U1_11.1 | length 13.5
  Top Layer w0.25: U1_11.1@-52.25,38.525 U1_10.36@-52.25,51.475 ; -52.25,45 pad.0@-51.7,45
CONFIG_P12: pad.0@-51.7,25 U1_11.36 U1_12.1 | length 13.5
  Top Layer w0.25: U1_12.1@-52.25,18.525 U1_11.36@-52.25,31.475 ; -52.25,25 pad.0@-51.7,25
CONFIG_P13: U1_12.36 U1_13.1 | length 37.4
  Top Layer w0.25: U1_13.1@-77.75,11.475 -77.752,11.473 -77.752,5.752 -76.75,4.75 v1(-73,4.75) ; v1(-56.5,4.75) -55.95,4.75 -55.4,5.3 -53.4,5.3 -52.25,6.45 U1_12.36@-52.25,11.475
  Mid-Bottom Layer w0.25: v1(-73,4.75) v1(-56.5,4.75)
CONFIG_P14: pad.0@-78.3,25 U1_13.36 U1_14.1 | length 13.5
  Top Layer w0.25: pad.0@-78.3,25 -77.75,25 ; U1_13.36@-77.75,18.525 U1_14.1@-77.75,31.475